# KiCad board karabas-pro-revF.kicad_pcb (continued)
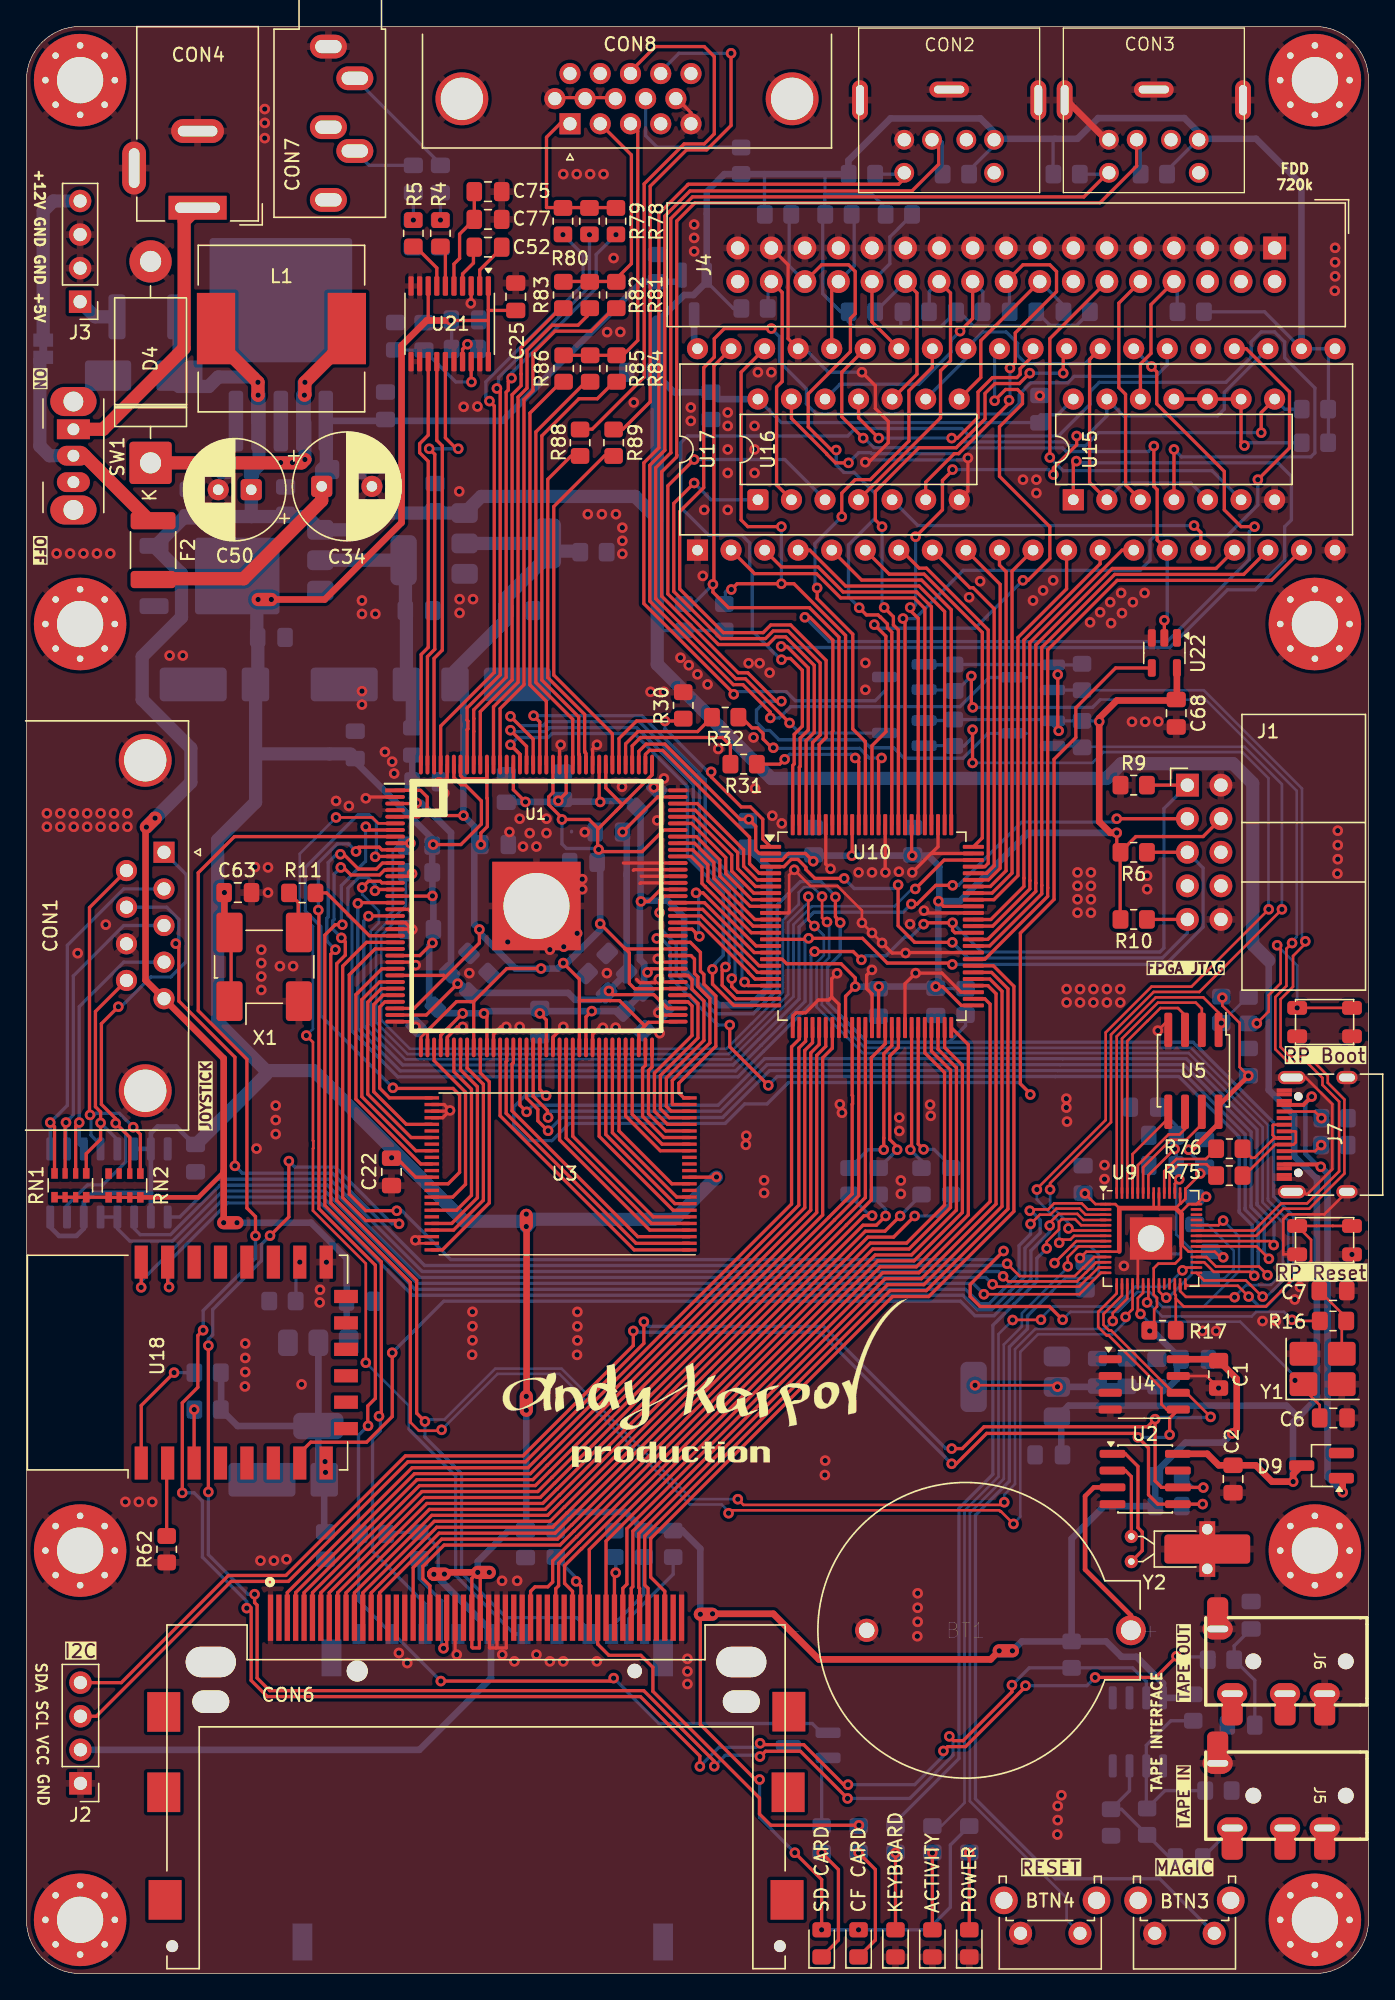
[diagram p0: board, top side]
## Routing (per net, layer and track width the routed paths; a pad name or vN(x,y) marks a point on that pad's centre or on a via; arc(x,y) is an arc through that point) (continued)
VBat: length 13.9
  Top w0.35: BT1.1 83.61,27.1 80.14,30.57 80.14,36.12 80.81,36.78 U2.3
VBUS: length 37.7
  Top w0.3: J7.B9 97.8,61.22 v1(97.98,61.04) ; v1(97.29,66.35) 96.66,65.72 J7.B4
  Top w0.5: D9.1 99.64,37.38 v1(99.64,36.42)
  Bottom w0.35: v1(97.29,66.35) 96.82,65.88 96.82,62.03 97.81,61.04 v1(97.98,61.04)
  Bottom w0.5: v1(97.98,61.04) 98.49,60.53 98.49,37.57 v1(99.64,36.42)
VCC: length 520.3
  Top w0.25: RN2.4 RN2.3 RN2.2 RN2.1 ; RN1.1 RN1.2 RN1.3 RN1.4 6.21,58.74
  Top w0.35: RN2.4 13.01,58.73 14.93,60.65 14.93,60.72
  Top w0.5: v1(9.08,86.74) 9.02,86.68 9.02,75.15 CON1.5 14.93,69.24 v1(14.93,56.81) ; D9.3 95.89,37.78 v1(95.89,37.22) 94.29,37.22 93.05,38.46 C2.1 90.25,38.46 89.38,39.32 U2.8
  Top w1: v1(9.74,87.42) 9.74,87.4 v1(9.08,86.74) ; 14.35,123.57 v1(17.53,120.4) 17.53,119.43 v1(17.54,119.42) ; v1(14.93,56.81) v1(15.94,56.81)
  Bottom w0.25: 77.72,136.14 77.72,138.68 77.86,138.82 ; 65.01,133.61 64.01,134.62 60.45,134.62 ; 60.28,132.93 60.28,127.1 61.65,125.73 62.22,125.73 62.22,124.98 62.59,124.61 66.19,124.61 ; 55.88,136.14 55.87,136.13 55.87,133.1 ; 47.94,101.52 48.04,101.62 52.8,101.62 52.83,101.59 ; 71.38,136.44 73.76,138.82 ; U15.14 78.05,117.93 76.78,117.93 76.2,117.35 57.15,117.35 U16.14 ; 66.19,124.61 69.23,124.61 70.35,125.73 ; 66.19,124.61 66.19,125.63 ; 80.53,125.73 79.5,124.7 77.49,124.7 76.46,125.73 75.39,124.66 71.69,124.66 70.61,125.73 ; 60.44,136.14 60.45,136.13 60.45,134.62 ; 60.45,134.62 60.44,134.61 60.44,133.1 ; 86.37,136.44 88.74,138.82 ; 54.09,125.98 53.51,125.98 51.5,128 ; 89.16,125.73 93.73,125.73 U17.22 U17.21 98.56,122.44 98.56,115.82 ; 76.71,117.34 76.71,117.86
  Bottom w0.5: 96.27,42.09 95.88,41.69 95.88,37.23 v1(95.89,37.22) ; 96.27,42.09 97.69,43.51 97.69,60.19 97.69,60.19 97.63,60.19 95.97,61.85 95.97,64.92 94.04,66.85 94.04,76.65 ; 96.27,42.09 95.38,42.97 78.89,42.97 U7.3 78.34,41.75 78.34,39.33 C4.1 ; v1(9.08,86.74) 9.08,86.76 ; 24.24,47.89 24.24,54.12 21.55,56.81 v1(15.94,56.81) ; 47.75,124.97 49.78,127 50.5,127 51.5,128 51.5,134.81 52.83,136.14 62.22,136.14 62.22,137.18 65.41,140.36 72.22,140.36 73.76,138.82 79.56,138.82 81.13,140.39 87.66,140.39 88.74,139.3 88.74,138.82 93.08,138.82 96.52,135.38 U17.22 ; 47.51,121.16 49.02,119.64 51.82,119.64 52.33,119.13 U16.14
  Bottom w1: 11.24,125.35 11.55,125.04 11.55,120.08 13.8,120.08 14.52,120.8 17.13,120.8 v1(17.53,120.4) 17.53,117.49 ; 94.04,76.65 92.83,77.86 92.83,90.05 91.34,91.54 82.88,91.54 81.76,90.42 56.39,90.42 52.47,94.34 52.47,94.34 51.22,95.59 51.22,95.59 47.75,99.06 47.75,118.12 ; 47.75,118.12 47.75,110.09 46.08,111.76 34.43,111.76 U14.3 27.19,110.5 25.92,109.23 U13.3 21.25,110.24 17.02,110.24 ; 47.75,118.12 47.75,124.97 ; 17.02,110.24 C50.1 17.02,113.54 17.6,114.12 17.6,117.41 ; 17.02,110.24 11.99,110.24 9.7,107.94 11.74,105.91 11.74,102.62 8.76,99.64 8.76,96.39 12.45,92.71 12.45,90.13 v1(9.74,87.42) 9.74,87.4 v1(9.08,86.74) ; v1(15.94,56.81) v1(14.93,56.81)
VCC1_2: length 171.8
  Top w0.2: 30.36,71.34 29.86,70.84 U1.37
  Top w0.25: 46.81,71.7 47.09,71.97 48.13,71.97 48.18,72.02 U1.73 ; 46.81,71.7 46.36,71.24 U1.70 ; 46.81,71.7 44.9,73.61 44.19,73.61 44.18,73.62 41.86,73.62 ; U1.84 45.34,77.52 45.29,77.57 ; 31.72,75.39 31.59,75.52 U1.29 ; 31.72,75.39 29.34,73.02 U1.34 ; 31.72,75.39 34.29,77.97 v1(34.29,78.99) ; 33.86,73.54 36.36,76.04 v1(38.96,76.04) ; 33.86,73.54 32.56,73.54 30.36,71.34 U1.38 ; 33.86,73.54 U1.45 ; U1.61 41.86,73.62 ; 41.86,73.62 41.86,75.24 v1(40.64,76.45) ; U1.5 29.69,87.52 30.34,88.17 ; U1.124 39.86,89.35 39.54,89.04 39.54,88.44 40.46,87.52 40.49,87.52 40.49,87.37 v1(40.54,87.32) 42.59,87.32 43.29,86.62 ; U1.1 29.84,89.52 30.34,89.02 30.34,88.17 ; 43.29,86.62 43.24,86.62 43.24,85.12 v1(43.31,85.05) 43.47,84.89 46.61,84.89 48.24,86.52 U1.102 ; 43.29,86.62 44.62,87.94 ; 45.29,77.57 v1(43.43,79.43) ; 45.29,77.57 45.64,77.23 45.64,74.92 46.05,74.51 48.17,74.51 48.18,74.52 U1.78 ; 44.62,87.94 47.36,90.69 U1.109 ; 44.62,87.94 45.04,88.37 45.04,88.52 43.86,89.7 U1.116 ; 30.34,88.17 30.9,87.61 v1(33.08,87.61) 32.99,87.52 ; v1(34.4,85.42) 34.4,86.3 34.89,86.78 34.89,88.91 34.86,88.94 U1.134 34.86,90.47 34.78,90.4 33.1,90.4 32.86,90.63 U1.138
  Bottom w0.25: v1(40.54,87.32) 40.54,85.47 40.88,85.12 43.23,85.12 v1(43.31,85.05) 43.31,84.75 43.43,84.63 ; v1(34.29,78.99) 34.29,78.77
  Bottom w0.5: C46.1 33.08,96.9 v1(33.08,87.61) 33.9,86.79 33.9,79.38 v1(34.29,78.99) ; 32.45,98.56 32.45,96.66 ; 43.43,84.63 v1(43.43,79.43) 43.43,78.96 40.92,76.45 v1(40.64,76.45) 40.23,76.04 v1(38.96,76.04) 37.02,76.04 34.29,78.77
  Bottom w1: 32.45,98.56 36.31,102.42 36.31,104.09 39.47,107.25 U14.2 ; 41.47,107.62 40.06,107.62 U14.2 ; U14.2 U14.2
VCC2_5: length 62.6
  Top w0.25: v1(44.09,74.34) 44.37,74.06 47.5,74.06 48.53,73.02 U1.75 ; v1(29.54,88.57) 29.49,88.52 U1.3 ; U1.107 47.78,89.02 v1(45.13,86.37) ; U1.35 30.27,72.52 v1(32.64,74.89)
  Bottom w0.25: 45.44,83.28 45.42,83.27 45.42,83.09 45.43,83.08
  Bottom w0.5: 45.14,86.36 45.44,86.06 45.44,83.1 45.43,83.08 ; 45.44,83.28 C27.1 C40.1 43.39,73.67 41.54,73.67 41.01,74.2 C36.1 C33.1 32.14,75.83 32.14,86.32 29.89,88.57 v1(29.54,88.57) 29.19,88.92 C23.1 29.21,90.19 FB1.2
VCC3_3: length 691.2
  Top w0.25: v1(40.26,88.74) 40.86,89.33 U1.122 ; U1.62 42.36,72.38 v1(42.79,72.82) ; U10.3 57.2,84.25 57.46,84.5 57.46,84.54 57.62,84.7 57.66,84.7 57.7,84.75 58.97,84.75 v1(59.56,84.16) ; U10.91 62.51,84.61 v1(62.48,84.58) ; 30.64,125.07 30.41,125.3 U21.8 ; J1.4 89.07,86.02 83.98,86.02 82.79,84.84 82.79,79.76 ; 28,61.72 29.47,60.25 U3.37 ; v1(46.52,81.12) 47.12,81.12 48.02,82.02 U1.93 ; v1(52.24,60.27) 52.22,60.25 U3.12 ; v1(69.04,81.14) 69.43,80.75 U10.66 ; U1.81 47.29,76.02 v1(47.01,75.75) ; 62.01,71.57 62.01,73.94 v1(62.74,74.68) 62.74,75.33 61.67,76.4 57.55,76.4 57.2,76.75 U10.18 ; v1(68.83,74.68) 69.34,74.68 70.77,73.25 U10.51 ; v1(60.2,3.31) 60.2,7.11 v1(58.17,9.14) ; U1.56 39.36,72.15 v1(38.86,72.64) ; v1(43.43,88.65) 43.36,88.72 U1.117 ; 34.97,125.87 34.97,125.07 ; 34.97,125.87 35,125.83 C25.1 ; 34.97,125.87 U21.1 ; 34.97,125.07 U21.20 ; 34.97,125.07 v1(32.14,125.07) ; v1(30.79,85.42) 32.89,85.42 34.44,86.97 34.44,88.72 33.22,89.94 32.91,89.94 32.36,90.5 U1.139 ; v1(55.5,14.68) 55.18,14.68 51.01,18.85 v1(51.01,27.19) ; 51.91,27.19 v1(51.94,27.22) ; U1.40 31.36,70.98 v1(33.02,72.64) ; v1(30.73,81.53) 30.72,81.52 U1.17 ; 15.49,79.25 15.49,74.61 ; v1(78.14,94.03) 78.07,94.1 v1(78.07,98.28) ; v1(64.52,74.68) 64.51,74.67 64.51,71.57 ; U1.130 36.86,89.57 v1(37.78,88.65) ; U10.82 67.01,84.63 v1(67.06,84.58) ; v1(34.63,72.64) 34.86,72.42 U1.47 ; U1.26 29.78,77.02 v1(30.73,77.98) ; 34.29,26.86 34.29,24.64 33.78,24.64 33.72,24.7 CON6.13 33.72,29.91 v1(34.16,30.35) 34.35,30.16 CON6.38 ; v1(82.54,86.31) 82.54,85.09
  Top w0.5: 30.86,30.35 30.78,30.28 30.78,30.27 v1(30.84,30.21) ; v1(37.84,43.67) 37.86,43.69 37.86,56.5 v1(37.84,56.52) ; U22.5 87.09,96.44 86.97,96.32 82.54,96.32 81.21,94.99 v1(81.21,94.73) 81.21,87.15 82.05,86.31 v1(82.54,86.31) ; v1(14.99,81.79) 14.99,79.32 ; v1(18.54,103.96) 22.58,103.96 28.4,109.78 28.4,123.18 30.29,125.07 v1(32.14,125.07) ; C1.1 91.62,45 91.62,41.21 v1(91.27,40.86) ; v1(51.94,27.22) 56.54,27.22 59.99,23.77 72.99,23.77 v1(73.64,24.42) ; v1(34.16,30.35) 31.77,30.35 v1(31.64,30.23) ; U4.8 90.14,46.48 ; 60.24,3.35 v1(60.2,3.31)
  Top w1: 37.84,57.36 37.84,56.62 ; v1(51.01,27.19) 51.91,27.19 ; v1(30.84,30.21) 30.83,30.22 30.84,30.23 v1(31.64,30.23) ; v1(37.84,43.67) v1(37.84,42.62) ; v1(73.64,24.42) v1(74.64,24.42) ; v1(18.54,103.96) v1(17.54,103.96) ; v1(34.16,30.35) v1(35.04,30.35)
  Bottom w0.25: 60.24,3.35 v1(60.2,3.31) v1(62.99,3.31) 68.23,3.31 69.94,5.02 69.94,9.73 R28.1 ; 14.39,85.67 14.48,85.75 ; 38.48,72.64 C57.1 ; 77.57,94.6 v1(78.14,94.03) ; C45.1 45.27,72.84 ; v1(47.01,75.75) 46.87,75.6 46.76,75.6 ; R18.2 77.56,99.04 ; 22.39,92.27 22.93,92.27 22.94,92.28 ; 79.82,99.01 77.6,99.01 78.07,98.54 v1(78.07,98.28) ; R21.2 81.16,94.78 v1(81.21,94.73) ; v1(30.79,85.42) 30.79,85.42 R3.2 ; 51.91,27.19 v1(51.94,27.22) ; v1(68.83,74.68) 68.99,74.52 R1.2 ; 30.81,81.46 v1(30.73,81.53) ; 67.89,99.02 70.21,99.02 ; 30,33.4 31.17,32.23 31.17,30.53 v1(30.84,30.21) ; 30.73,83.3 R2.2 ; 27.67,33.38 29.97,33.38 ; 67.84,94.8 70.13,94.8 ; v1(58.17,9.14) 55.5,11.81 v1(55.5,14.68) 55.54,14.64 ; R19.2 77.47,94.88 ; R7.1 32.19,125.02 v1(32.14,125.07) ; 77.57,94.78 79.91,94.78 ; v1(27.65,61.72) 27.64,61.72
  Bottom w0.35: U8.10 9.42,59.07 ; 9.42,59.07 5.08,59.07 4.34,58.33 U8.14 4.34,56.37 3.79,55.81 2.47,55.81 1.8,56.48 ; 9.42,59.07 U8.7 ; 12.7,62.73 11.34,64.09 9.93,64.09 9.42,63.58 U8.7 ; U8.6 U8.7 ; 18.14,68.02 18.14,68.32
  Bottom w0.5: v1(91.27,40.86) 90.58,40.17 87.74,40.17 85.46,37.89 R14.2 R15.2 81.59,35.37 79.12,32.9 R70.1 ; 55.24,84.63 56.24,83.63 56.24,74.65 54.86,73.27 52.39,73.27 49.79,75.87 49.79,79.92 48.54,81.17 46.57,81.17 v1(46.52,81.12) 46.44,81.04 46.44,76.72 46.76,76.4 C56.1 45.27,72.84 ; 55.24,84.63 55.18,84.63 R29.2 ; 55.24,84.63 59.09,84.63 v1(59.56,84.16) 59.56,84.18 59.97,84.58 v1(62.48,84.58) v1(67.06,84.58) 68.28,84.58 69.11,83.75 69.11,81.21 v1(69.04,81.14) ; v1(30.84,30.21) 30.86,30.23 30.88,30.23 35.17,25.94 ; C59.1 30.81,81.46 ; 38.48,72.64 38.31,72.82 34.81,72.82 v1(34.63,72.64) v1(33.02,72.64) 32.99,72.67 31.41,72.67 C41.1 30.49,73.59 30.49,77.73 v1(30.73,77.98) ; v1(69.04,81.14) 69.04,75.11 68.72,74.79 ; v1(69.04,81.14) 70.66,81.14 75.83,86.31 v1(82.54,86.31) ; R70.1 81.73,25.13 82.89,23.97 84.03,23.97 86.04,21.96 U20.8 88.06,20.86 ; R70.1 75.35,25.13 v1(74.64,24.42) ; C57.1 39.06,72.82 42.79,72.82 v1(42.79,72.82) C45.1 ; 40.07,33.53 41.46,34.92 45.35,34.92 46.74,33.54 49.62,33.54 51.01,32.15 v1(51.01,27.19) ; 35.88,88.65 v1(37.78,88.65) 40.17,88.65 v1(40.26,88.74) 40.36,88.65 40.92,88.65 40.94,88.67 43.41,88.67 v1(43.43,88.65) 43.51,88.72 45.7,88.72 C54.1 46.49,87.93 46.49,81.15 ; CON5.4 35.17,22.35 29.75,16.93 J2.2 ; v1(30.73,81.53) 30.73,83.3 ; 37.4,56.92 37.84,57.36 ; v1(68.83,74.68) v1(64.52,74.68) v1(62.74,74.68) ; 27.64,61.72 28.34,61.72 28.56,61.5 ; 40.07,33.54 37.78,33.54 ; 37.78,33.54 37.84,33.59 v1(37.84,42.62) ; 37.78,33.54 36.53,33.54 34.16,31.17 v1(34.16,30.35) ; C65.1 24.89,91.7 30.72,85.87 R3.2 R2.2 ; v1(14.99,81.79) 14.48,81.79
  Bottom w1: v1(34.16,30.35) v1(35.04,30.35) ; 12.85,62.73 18.14,68.02 ; v1(52.24,60.27) 49.04,57.07 38.39,57.07 v1(37.84,56.52) 37.84,57.36 ; 24.54,92.28 17.35,92.28 ; 17.35,97.27 17.35,92.28 ; 17.35,92.28 17.35,88.63 14.48,85.76 14.48,71.98 18.14,68.32 21.74,68.32 33.14,56.92 37.4,56.92 ; v1(37.84,43.67) v1(37.84,42.62) ; v1(74.64,24.42) v1(73.64,24.42) ; 17.44,101.39 17.44,104.46 17.63,104.65 ; v1(51.01,27.19) 51.91,27.19 ; v1(31.64,30.23) 30.86,30.23 ; 17.52,101.09 17.52,97.72
  vias: v1(37.84,57.46)
(no net): length 0
  Bottom w0.25: 41.26,86.38 41.26,86.43
/interfaces/B: length 21.6
  Top w0.25: 46.17,139.51 46.28,139.4 46.28,123.57 45.15,122.44 ; 40.44,122.44 44.45,122.44
/interfaces/D+: length 6.2
  Top w0.2: J7.A6 94.56,63.22 94.34,63.44 94.34,64.17 94.39,64.22 J7.B6 ; R76.1 92.74,61.72 92.97,61.72 94.45,63.2 94.77,63.2
/interfaces/D-: length 6.6
  Top w0.2: 92.19,60.38 94.54,62.72 J7.B7 95.92,62.72 96.09,62.9 96.09,63.67 96.04,63.72 J7.A7
/interfaces/G: length 17.5
  Top w0.25: CON8.2 45.8,137.6 45.8,129.37 44.45,128.03 40.44,128.03
/interfaces/HS: length 41.3
  Top w0.25: 45.73,143.91 47.61,145.8 51.31,145.8 52.07,145.03 52.07,139.19 51.31,138.43 49.78,138.43 46.76,135.41 46.76,120.78 42.83,116.85 41.91,116.85
/interfaces/R: length 12.6
  Top w0.25: CON8.1 40.39,139.95 39.37,138.94 39.37,133.61 44.45,133.61
/interfaces/VS: length 39.3
  Top w0.25: 44.45,116.85 45.15,116.85 47.22,118.92 47.22,135.23 49.97,137.98 51.49,137.98 53.34,139.83 v1(53.34,145.29)
  Bottom w0.25: 48.02,143.91 49.39,145.29 v1(53.34,145.29)
/mcu/L1: length 5.8
  Top w0.25: D1.2 v1(65.79,9.13)
/mcu/L2: length 5.8
  Top w0.25: D2.2 v1(68.58,9.13)
/mcu/L3: length 5.8
  Top w0.25: D3.2 v1(71.37,9.13)
/storage/L4: length 8.9
  Top w0.25: D6.1 61.47,2.53 61.47,7.87 v1(60.2,9.13)
/storage/L5: length 8.9
  Top w0.25: D7.1 64.26,2.53 64.26,7.87 v1(62.99,9.14)
BTN1: length 77.3
  Top w0.2: v1(77.83,53.76) 77.83,53.77 79.48,55.42 U9.8
  Bottom w0.2: 77.65,51.63 78.64,52.62 80.86,52.62 81.18,52.94 81.18,54.38 80.54,55.02 79.09,55.02 v1(77.83,53.76)
  Bottom w0.25: 77.65,51.63 75.78,49.76 75.78,48.78 74.41,47.41 74.41,37.25 71.84,34.68 71.84,13.22 77.89,7.18 85.79,7.18 BTN3.1
BTN2: length 60.9
  Top w0.2: v1(78.82,53.51) 78.82,54.2 79.64,55.02 U9.9
  Bottom w0.2: BTN4.1 78.74,4.06 78.74,5.72 71.41,13.04 71.41,34.86 73.98,37.43 73.98,47.59 75.35,48.96 75.35,49.95 78.82,53.42 v1(78.82,53.51)
CLK_50MHZ: length 7.3
  Top w0.25: 21.9,81.76 22.72,81.76 25.96,78.52 U1.23
CONF_DONE: length 100.3
  Top w0.2: v1(92.52,51.22) 91.7,52.04 87.87,52.04 U9.28
  Top w0.25: U1.92 48.29,81.52 47.93,81.16 v1(47.93,80.27) ; v1(61.24,81.45) 61.24,79.95 61.33,79.86 61.33,79.57 61.37,79.52 61.53,79.52 61.54,79.52 61.6,79.52 v1(61.6,79.51)
  Bottom w0.25: v1(61.24,81.45) 61.24,81.53 60.15,82.62 58.59,82.62 56.84,80.87 56.84,74.44 55.02,72.62 52.19,72.62 49.19,75.62 49.19,77.87 47.93,79.13 v1(47.93,80.27) ; 69.84,70.47 88.32,70.47 94.41,64.38 94.41,58.81 95.94,57.27 95.94,52.67 95.94,52.67 95.94,52.55 93.88,50.5 93.28,50.5 92.55,51.22 v1(92.52,51.22) ; 69.84,70.47 71.09,71.72 R1.1 ; 69.84,70.47 63.64,70.47 60.64,73.47 60.64,76.15 61.6,77.11 v1(61.6,79.51)
CPLD_CLK: length 8.9
  Top w0.25: U1.113 45.36,93.04 46.29,93.97 50.81,93.97 R32.2
CPLD_CLK2: length 10.8
  Top w0.25: U1.112 45.86,92.89 46.49,93.52 52.69,93.52 53.29,92.92 R31.2
D0: length 28
  Top w0.25: 66.22,107.7 67.58,106.33 68.13,106.33 72.81,101.66 72.81,84 72.55,83.75 U10.72
D1: length 27.8
  Top w0.25: U10.71 72.69,83.25 73.26,83.82 73.26,103.26 71.66,104.85 71.42,104.85 U17.8
D2: length 27.5
  Top w0.25: U17.9 73.71,105.11 73.71,83.63 72.82,82.75 U10.70
D3: length 27.4
  Top w0.25: U10.69 72.96,82.25 74.16,83.45 74.16,106.07 73.66,106.56 U17.10
D4: length 28.6
  Top w0.25: U10.68 73.1,81.75 74.61,83.26 74.61,106.11 U17.11
D5: length 30.3
  Top w0.25: U17.12 78.74,104.76 75.06,101.08 75.06,83.07 73.23,81.25 U10.67
D6: length 32.7
  Top w0.25: U10.64 73,79.75 75.51,82.25 75.51,82.89 75.51,82.89 75.51,100.9 81.28,106.67 U17.13
D7: length 34.8
  Top w0.25: U17.14 82.95,107.7 75.96,100.71 75.96,82.7 75.96,82.7 75.96,82.07 73.14,79.25 U10.63
DATA0: length 148.3
  Top w0.2: v1(74.02,35.66) 73.82,35.46 54.28,35.46 v1(53.85,35.89) ; U9.17 83.33,51.07 82.23,49.97 v1(82.23,49.37)
  Top w0.25: 23.79,83.93 23.79,83.9 ; 23.79,83.93 23.79,83.95 ; 23.79,83.93 23.79,83.95 ; 23.79,83.93 23.79,83.9 ; 23.79,83.9 23.79,83.88 ; 23.79,83.9 23.79,83.88 ; 23.8,83.92 23.8,83.89 24.56,83.12 26.73,83.12 27.11,83.5 27.25,83.5 27.27,83.52 U1.13 ; 23.8,83.92 23.8,83.94 ; 23.8,83.92 23.8,83.94 ; 23.79,83.88 23.79,83.88 ; 23.79,83.88 23.79,83.88 ; 23.8,83.86 23.79,83.86 ; 23.8,83.86 23.79,83.86 ; 23.8,83.86 23.8,83.73 ; 23.8,83.86 23.8,83.73 ; 23.79,83.86 23.79,83.88 ; 23.79,83.86 23.79,83.88 ; 23.8,83.94 23.8,83.95 ; 23.8,83.94 23.8,83.94 ; 23.8,83.94 23.8,83.94 ; 23.8,83.94 23.8,83.95 ; 23.8,83.95 23.8,83.95 ; 23.8,83.95 23.8,83.95 ; 23.79,83.95 23.8,83.95 ; 23.79,83.95 23.8,83.95 ; v1(30.17,41.77) 29.54,42.4 29.54,52.45 23.49,58.5 23.49,76.41 24.14,77.06 24.14,78.06 v1(23.84,78.36) ; 23.8,83.7 23.8,83.69 ; 23.8,83.7 23.8,83.69 ; 23.8,83.7 23.8,83.73 ; 23.8,83.7 23.8,83.73 ; 23.8,83.69 v1(23.8,83.69) 23.8,83.69
  Bottom w0.2: v1(30.17,41.77) 30.32,41.92 31.64,41.92 35.49,45.77 40.51,45.77 50.39,35.89 v1(53.85,35.89) ; v1(82.23,49.37) 81.63,48.77 76.37,48.77 74.84,47.23 74.84,37.04 74.02,36.23 v1(74.02,35.66)
  Bottom w0.25: 42.67,25.91 41.66,26.92 36.34,26.92 32.94,30.32 32.94,37.83 30.17,40.6 v1(30.17,41.77) ; v1(23.84,78.36) 23.19,79.01 23.19,79.66 23.29,79.76 23.29,83.18 v1(23.8,83.69)
DCLK: length 129.1
  Top w0.2: v1(83.21,49.68) 83.21,49.74 83.73,50.27 U9.18 ; v1(31.43,41.14) 31.36,41.07 29.71,41.07 29.06,41.72 ; v1(74.72,34.02) 73.78,34.96 73.73,34.96 73.64,35.05 53.37,35.05 v1(53.15,34.83)
  Top w0.25: v1(23.77,84.69) 24.01,84.69 25.13,83.57 26.5,83.57 26.95,84.02 U1.12 ; v1(23.39,77.47) 23.04,77.12 23.04,58.31 29.06,52.29 29.06,41.72
  Bottom w0.2: v1(74.72,34.02) 74.72,34.05 75.23,34.56 75.23,47.03 76.57,48.37 82.22,48.37 83.21,49.35 v1(83.21,49.68) ; v1(53.15,34.83) 53.15,34.97 52.63,35.49 50.22,35.49 40.34,45.37 35.66,45.37 v1(31.43,41.14)
  Bottom w0.25: v1(23.39,77.47) 22.74,78.12 22.74,79.84 22.84,79.94 22.84,84.06 23.47,84.69 v1(23.77,84.69)
FDC_A0: length 27.2
  Top w0.25: U17.5 63.22,105.43 67.76,105.43 70.01,103.18 U10.76
FDC_A1: length 27.9
  Top w0.25: U10.75 72.36,85.92 72.36,101.47 67.95,105.88 65.31,105.88 U17.6
FDC_CLK: length 62
  Top w0.25: U10.83 66.51,102.37 v1(66.35,102.52) ; v1(93.22,113.03) 95.61,115.43 95.61,119.67 92.34,122.94 U17.24
  Bottom w0.25: v1(93.22,113.03) 93.22,111.11 90.94,108.83 85.47,108.83 85.06,108.42 85.06,106.93 84.3,106.17 70.92,106.17 67.27,102.52 v1(66.35,102.52)
FDC_DIR: length 25.7
  Top w0.25: U17.16 88.9,109.04 v1(88.39,109.56)
  Bottom w0.25: U16.5 67.48,109.56 v1(88.39,109.56)
FDC_DRQ: length 47.5
  Top w0.25: U10.92 62.01,101.25 58.1,105.16 v1(57.15,105.16) 53.8,105.16 v1(53.36,104.72) ; v1(57.15,109.47) 54.61,109.47 54.1,109.98 54.1,121.16 U17.38
  Bottom w0.25: v1(57.15,109.47) v1(57.15,105.16) ; v1(53.36,104.72) 53.11,104.72 52.91,104.52 52.91,103.64
FDC_DS0: length 82.1
  Top w0.25: U15.1 79.25,114.2 v1(79.48,114.43) ; U10.99 58.51,91.27 58.57,91.34 58.57,93.47 59.18,94.08 59.18,98.79 57.57,100.41 v1(57.13,100.41)
  Bottom w0.25: v1(79.48,114.43) 79.61,114.3 94.74,114.3 95.76,113.28 95.76,109.98 95.25,109.47 95.25,106.93 93.02,104.7 90.92,104.7 86.55,100.33 57.21,100.33 v1(57.13,100.41)
FDC_DS1: length 110.4
  Top w0.25: U10.100 58.01,91.41 58.12,91.52 58.12,93.76 58.73,94.37 58.73,98.61 57.84,99.5 57.25,99.5 v1(57.16,99.41) ; v1(86.87,115.32) U15.4
  Bottom w0.25: v1(57.16,99.41) 57.11,99.41 54.95,101.57 54.95,106.14 54.75,106.33 54.75,108.24 54.17,108.82 51.65,108.82 49.54,110.93 49.54,115.83 50.04,116.33 62.17,116.33 62.74,116.9 70.81,116.9 71.37,116.33 78.12,116.33 80.52,118.73 80.52,119.7 81.21,120.4 90.8,120.4 92.71,122.3 92.71,123.44 93.47,124.21 94.49,124.21 95.25,123.44 95.25,122.25 97.54,119.97 97.54,115.06 97.22,114.75 87.43,114.75 v1(86.87,115.32)
FDC_HLT: length 59.8
  Top w0.25: v1(67.31,108.71) 69.34,110.74 69.34,112.97 70.1,113.74 v1(70.1,113.79) ; v1(79.5,116.33) 79.5,115.67 77.74,113.91 v1(77.74,113.41) ; U10.81 67.51,102.53 66.9,103.14 v1(66.9,103.36)
  Bottom w0.25: v1(67.31,108.71) 67.31,103.56 67.11,103.36 v1(66.9,103.36) ; U17.23 90.68,119.63 90.68,118.36 90.17,117.86 83.06,117.86 U15.13 81.79,117.86 80.26,116.33 v1(79.5,116.33) ; v1(70.1,113.79) 77.36,113.79 v1(77.74,113.41)
FDC_INTRQ: length 46.9
  Top w0.25: U10.93 61.51,101.11 59.28,103.34 53.15,103.34 51.97,104.52 v1(51.97,105.11) 52.04,105.18 52.04,121.64 U17.39
  Bottom w0.25: v1(51.97,105.11) 50.5,103.64 49.78,103.64
FDC_IP: length 44.6
  Top w0.25: U17.35 61.72,121.16 61.72,117.79 v1(63.34,116.17) ; U15.8 93.47,118.11 v1(93.47,116.59)
  Bottom w0.25: v1(63.34,116.17) 63.44,116.17 64.17,115.45 70.39,115.45 70.82,115.88 78.63,115.88 78.9,115.61 80.18,115.61 81.15,116.59 v1(93.47,116.59) ; 96.51,118.36 95.25,118.36 U15.8
FDC_RCLK: length 88.7
  Top w0.25: v1(56.39,124.46) 52.83,124.46 52.07,123.7 52.07,122.3 51.27,121.5 51.27,112.43 49.45,110.61 49.45,104.76 52.76,101.45 55.76,101.45 56.35,102.03 57.85,102.03 60.54,99.35 60.54,93.53 60.01,93 U10.96
  Bottom w0.25: v1(56.39,124.46) 57.01,123.84 57.01,121.94 59.04,119.9 59.04,118.76 59.8,118 74.37,118 75.15,118.78 75.15,119.47 76.03,120.36 78.83,120.36 79.32,120.85 85.49,120.85 86.36,121.71 U17.26
FDC_RDY: length 38.7
  Top w0.25: U17.28 80.48,122.14 80.48,112.81 U15.2
  Bottom w0.25: U16.9 71.12,122.17 U17.32 72.39,124.21 74.17,124.21 75.03,123.34 75.03,122.44 75.66,121.81 80.15,121.81 U17.28 ; U15.2 83.06,112.78 88.14,112.78 U15.5
FDC_SIDE: length 19.3
  Top w0.25: J4.32 57.21,127.2 57.21,120.45 56.79,120.03 56.79,112.63 U16.2
  Bottom w0.25: 56.14,125.98 56.14,127.77
FDC_SL: length 42.9
  Top w0.25: U10.61 72.78,78.25 76.41,81.88 76.41,82.51 76.41,82.51 76.41,100.52 82.2,106.31 90.05,106.31 U17.17
FDC_SR: length 45.6
  Top w0.25: U10.60 72.91,77.75 76.86,81.69 76.86,82.33 76.86,82.33 76.86,100.34 82.38,105.86 92.14,105.86 U17.18
FDC_STEP: length 46.1
  Top w0.25: v1(85.34,115.57) 85.34,112.52 85.6,112.27 85.6,108.46 U17.15 ; U22.2 v1(86.14,102.39) ; v1(62.23,114.3) 61.25,114.3 60.58,114.97 60.58,115 57.91,117.66 U16.13
  Bottom w0.25: v1(85.34,115.57) 84.93,115.16 78.71,115.16 78.44,115.43 71.01,115.43 70.57,115 63.98,115 63.9,115.08 63.01,115.08 v1(62.23,114.3) ; v1(86.14,102.39) 86.36,102.61 U17.15
FDC_TR43: length 46.6
  Top w0.25: v1(64.93,103.36) 65.63,102.66 65.63,102.04 66.01,101.66 U10.84 ; v1(75.95,121.09) 75.17,120.3 73.31,120.3 72.57,119.56 72.57,117.63 70.39,115.45 67.57,115.45 64.26,112.14 64.26,109.98 v1(64.77,109.47) ; v1(78.49,121.09) 78.49,122.68
  Bottom w0.25: v1(64.77,109.47) 64.77,103.52 v1(64.93,103.36) ; v1(78.49,121.09) v1(75.95,121.09)
FDC_WD: length 52.4
  Top w0.25: v1(73.29,119) 73.29,119.02 74.12,119.85 75.02,119.85 75.4,119.47 75.4,118.78 73.66,117.04 73.66,113.28 77.47,109.47 77.47,107.06 75.82,105.41 v1(75.43,105.41) ; v1(64.18,102.06) 65.06,101.19 65.06,93.95 64.01,92.9 U10.88
  Bottom w0.25: v1(73.29,119) 73.29,122.57 ; v1(75.43,105.41) 71.81,101.8 64.45,101.8 v1(64.18,102.06)
FDC_WDATA: length 48.3
  Top w0.25: v1(50.55,114.55) 48.55,112.56 48.55,104.38 52.38,100.55 56.14,100.55 56.72,101.13 57.48,101.13 59.64,98.98 59.64,93.9 59.02,93.28 59.02,86.93
  Bottom w0.25: v1(50.55,114.55) 57.4,114.55 U16.3
FDC_WF_DE: length 41.9
  Top w0.25: v1(61.72,110.24) 61.72,112.01 62.74,113.03 63.88,113.03 66.8,115.95 66.8,119.76 68.58,121.54 U17.33 ; v1(59.86,104.84) 59.86,104.03 62.55,101.34 62.55,94.17 63.51,93.21 U10.89
  Bottom w0.25: v1(61.72,110.24) 59.69,108.2 59.69,105 v1(59.86,104.84)
FDC_WGATE: length 19.2
  Top w0.25: 76.2,122.41 75.22,121.43 75.22,120.99 74.98,120.75 73.13,120.75 72.03,119.66 72.03,117.73 70.48,116.17 v1(70.04,116.17) ; U16.11 62.99,117.7 v1(64.52,116.17)
  Bottom w0.25: v1(70.04,116.17) v1(64.52,116.17)
I2C_SCL: length 128.1
  Top w0.2: U9.16 82.93,51.3 81.53,49.9 81.53,49.08 81.94,48.67 82.1,48.67 86.83,43.94 ; v1(89.64,42.12) 87.82,43.94 87.71,43.94
  Top w0.25: v1(46.74,49.32) 46.74,47.68 37.78,38.72 28.88,38.72 19.83,29.67 15.49,29.67 5.29,19.47 J2.3 ; v1(70.04,39.72) 70.84,39.72 72.49,41.37 84.87,41.37 v1(85.44,41.94) 85.44,37.27 85.93,36.78 U2.6 89.07,36.78 v1(89.09,36.77)
  Bottom w0.25: v1(89.09,36.77) 88.31,36.77 R14.1 ; v1(85.44,41.94) 85.56,42.07 89.59,42.07 v1(89.64,42.12) ; v1(70.04,39.72) 69.6,39.72 60.35,48.97 47.09,48.97 v1(46.74,49.32)
I2C_SDA: length 125.7
  Top w0.2: U9.15 82.53,51.46 81.13,50.06 81.13,48.91 81.78,48.27 81.93,48.27 85.92,44.28 85.92,43.07 86.32,42.67 U4.5
  Top w0.25: 84.14,40.37 v1(84.14,40.57) ; v1(84.14,40.57) 83.84,40.87 72.69,40.87 70.39,38.57 v1(70.04,38.57) ; v1(84.14,40.57) 84.94,39.77 84.94,36.22 85.65,35.51 U2.5 89.03,35.51 v1(89.04,35.52) ; J2.4 7.18,22.01 15.29,30.12 19.64,30.12 28.69,39.17 37.59,39.17 45.94,47.52 v1(45.94,48.62) ; v1(86.54,40.77) 86.54,42.02 U4.5
  Bottom w0.25: v1(89.04,35.52) 87.61,35.52 R15.1 ; v1(84.14,40.57) 86.34,40.57 v1(86.54,40.77) ; v1(70.04,38.57) 60.09,48.52 46.04,48.52 v1(45.94,48.62)
JOY_DATA: length 76
  Top w0.2: v1(73.93,52.75) 74.32,52.37 79.53,52.37 80.19,53.04 80.21,53.04 80.99,53.82 U9.12
  Bottom w0.25: U8.9 11.61,57.24 14.47,60.1 22.98,60.1 29.96,53.12 73.57,53.12 v1(73.93,52.75)
JOY_L_P1: length 39.5
  Top w0.25: RN2.6 7.82,63.27 v1(6.76,64.34) 6.76,64.68 5.68,65.77 5.68,71.87 v1(6.96,73.15)
  Bottom w0.25: v1(6.96,73.15) 7.18,73.15 9.42,75.4 10.94,75.4 12.09,76.56 12.09,83.16 CON1.1 ; v1(6.76,64.34) 7.51,63.59 7.51,61.41 5.77,59.67 4.63,59.67 3.07,58.12 U8.15
JOY_L_P2: length 29
  Top w0.25: RN1.8 2.13,64.06 v1(1.8,64.39)
  Bottom w0.25: CON1.2 7.37,82.07 3.1,77.8 3.1,65.68 v1(1.8,64.39) U8.1
JOY_L_P3: length 25.6
  Top w0.25: RN1.7 2.93,64.32 v1(3,64.39)
  Bottom w0.25: CON1.3 7.37,79.3 3.55,75.48 3.55,64.96 3.27,64.69 3.27,64.66 v1(3,64.39) 3,62.47
JOY_L_P4: length 22.7
  Top w0.25: v1(4,64.39) 3.73,64.12 RN1.6
  Bottom w0.25: U8.3 4,62.74 v1(4,64.39) 4,73.16 7.37,76.53 CON1.4
JOY_L_P6: length 29.8
  Top w0.25: RN2.5 8.62,63.5 v1(8.08,64.04) ; CON1.6 4.78,80.65 4.78,65 v1(4.81,64.96)
  Bottom w0.25: v1(4.81,64.96) 4.89,64.89 4.89,64.71 ; 5.61,62.71 4.89,63.44 4.89,64.71 ; 4.89,64.71 5.27,65.09 7.03,65.09 v1(8.08,64.04)
JOY_L_P9: length 18
  Top w0.25: CON1.9 5.23,72.79 5.23,65.58 5.61,65.19 v1(5.61,64.36) 5.61,63.12 4.53,62.03 RN1.5
  Bottom w0.25: v1(5.61,64.36) 6.88,63.09
JOY_LOAD: length 82.8
  Top w0.2: v1(72.48,51.4) 79.72,51.4 81.34,53.02 U9.14
  Bottom w0.25: U8.13 U8.12 6.88,56.37 7.83,55.42 11.06,55.42 14.84,59.2 22.61,59.2 29.59,52.22 71.65,52.22 v1(72.48,51.4)